# Altium PCB Notecarrier-XI_V4.PcbDoc (part 2 of 2)
Units mm, origin at the board's own origin, x right, y up, seen from the top; angles counter-clockwise.
Board outline 74.12 x 95.45 mm, 4 copper layers (Top Layer, GROUND, POWER, Bottom Layer), stack 1.556 mm thick; 103 components, 85 nets, 532 pads, 362 vias.
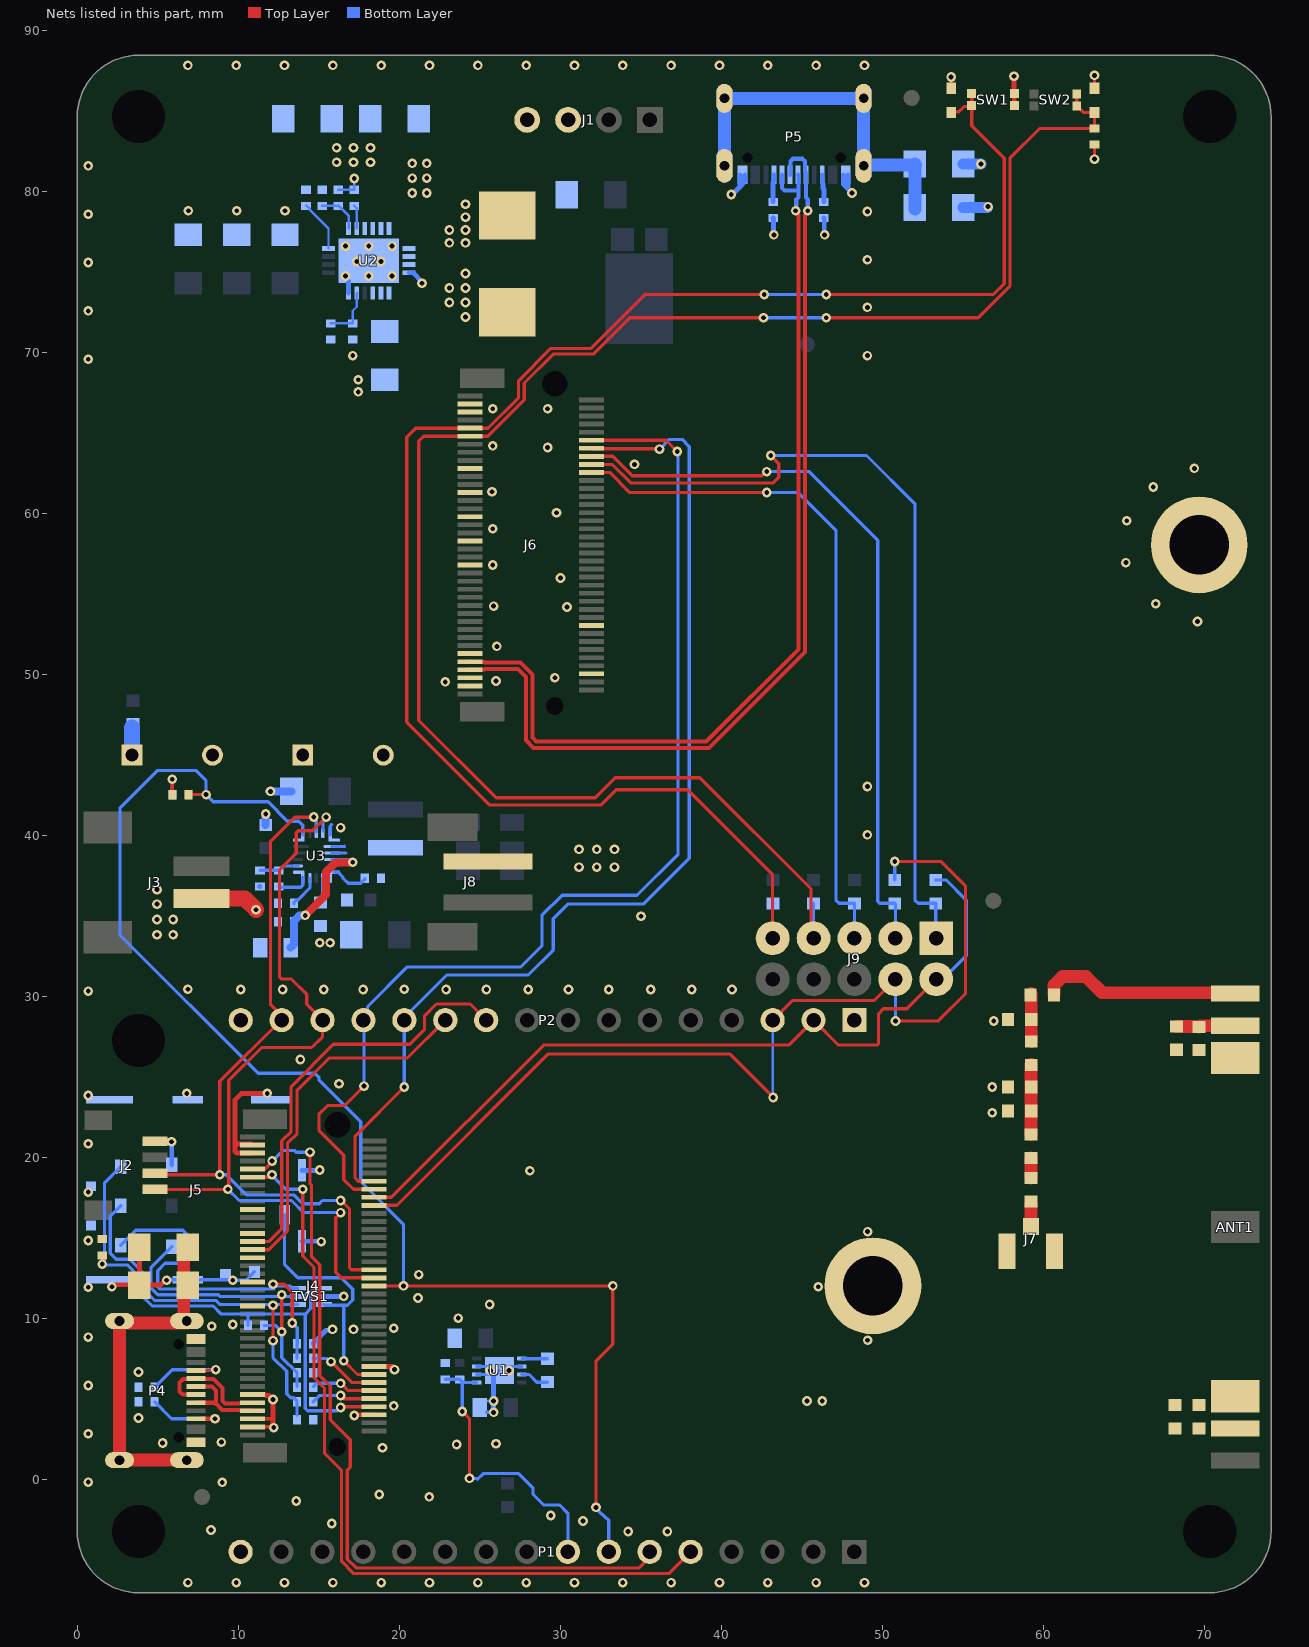
[diagram p4: the nets of this part, all layers, seen from the top]

## Via types
v1: diameter 0.6, hole 0.3, Top Layer to Bottom Layer, tented both sides, 352 vias
v2: diameter 0.6, hole 0.3, Top Layer to Bottom Layer, 10 vias

## Nets (pads, with @x,y where several pads share a name; then routed paths per layer and width w, separated by ;. In a path a pad name is that pad's centre, name@x,y a point inside that pad or via, vN(x,y) a via of type N, cw(c..) or ccw(c..) an arc to the next point about the centre after c; other vN are vias at no path point) (continued)
AUX_NCHARGING: J4.38 LD1.2 P1.7 U3.10 | length 86.9
  Top Layer w0.2: LD1.2@6.95,42.55 v1(8,42.55) ; J4.38@18.425,12.05 v1(20.25,12.05) v1@33.15,12.05 ; v1(32.2,-1.7) 32.2,7.367 33.25,8.417 v1(33.25,12.05)
  Bottom Layer w0.2: v1@8.05,42.45 8,42.5 8,43.4 7.35,44.05 5,44.05 2.65,41.7 2.65,33.834 11.234,25.25 14.75,25.25 15,25 15,24.85 17.6,22.25 17.6,18.529 20.25,15.879 v1(20.25,12.05) ; v1@8.075,42.475 8.45,42.1 11.85,42.1 13.05,40.9 13.75,40.9 14,40.65 U3.10@14,40.038 ; v1(32.2,-1.7) 32.2,-1.8 33,-2.5 P1.7@33,-4.46
AUX_RX: J4.58 J9.4 P2.3 R25.2 | length 63.8
  Top Layer w0.2: J4.58@18.425,17.05 19.85,17.05 29.25,26.45 40.5,26.45 v1(43.2,23.75) ; P2.3@43.17,28.55 44.383,29.763 49.463,29.763 J9.4@50.85,31.15 ; v1(50.75,38.4) 53.6,38.4 55.15,36.85 55.15,30.2 53.45,28.5 v1(50.8,28.5)
  Bottom Layer w0.15: P2.3@43.17,28.55 43.185,28.535 43.185,23.765 v1(43.2,23.75)
  Bottom Layer w0.2: R25.2@50.75,37.25 v1(50.75,38.4) ; v1(50.8,28.5) 50.795,28.505 50.795,31.085 J9.4@50.8,31.09
AUX_TX: J4.60 J9.2 P2.2 R24.2 | length 51.3
  Top Layer w0.2: J4.60@18.425,17.55 19.5,17.55 28.95,27 44.16,27 P2.2@45.71,28.55 47.26,27 49.633,27 49.75,27.117 49.75,28.95 50.05,29.25 51.49,29.25 J9.2@53.33,31.09
  Bottom Layer w0.2: J9.2@53.25,31.05 53.5,31.3 53.95,31.3 55.2,32.55 55.2,36 53.95,37.25 R24.2@53.3,37.25
BOOT: J4.65 P1.5 | length 50.2
  Top Layer w0.2: J4.65@10.875,18.8 11.936,18.8 v1(12.086,18.95) ; v1(14,18.05) 14,13.905 14.7,13.205 14.7,6.34 15.35,5.69 15.35,1.65 16.41,0.59 16.41,-5.055 17.165,-5.81 36.73,-5.81 P1.5@38.08,-4.46
  Bottom Layer w0.2: v1(12.086,18.95) 12.086,18.914 12.95,18.05 v1(14,18.05)
CHG_FB: R12.1 R14.2 U2.11 | length 2.6
  Bottom Layer w0.15: R14.2@15.2,79.1 R12.1@16.2,79.1 ; R12.1@16.25,79.1 16.85,78.5 U2.11@16.85,77.7
CHG_MAXV: R19.2 U2.10 | length 3.3
  Bottom Layer w0.15: R19.2@14.2,79.1 14.25,79.1 14.425,78.925 14.425,78.875 15.6,77.7 U2.10@15.6,76.45
CHG_MID: C14.2 C15.1 C21.1 C22.2 U2.13
  other v1: 16.1,81.811 17.151,81.811 18.202,81.811 16.1,82.711 17.151,82.711 18.202,82.711
CHG_PGOOD: R11.2 U2.12 | length 1.5
  Bottom Layer w0.15: R11.2@17.2,79.1 17.35,78.95 U2.12@17.35,77.7
CHG_RPROG: C23.2 R18.2 U2.5 | length 3.4
  Bottom Layer w0.15: C23.2@15.735,71.8 R18.2@17.1,71.8 17.1,72.588 17.35,72.837 17.35,73.65 U2.5@17.4,73.7
CHG_RSENS: C20.2 U2.2 U2.3
CHG_SW1: L2.2 U2.1 U2.19
  other v1: 24.1,72.2 23.1,73.1 24.1,73.1 23.1,74 24.1,74 24.1,74.9
CHG_SW2: L2.1 U2.17 U2.18
  other v1: 23.1,76.8 24.1,76.8 23.1,77.6 24.1,77.6 24.1,78.4 24.1,79.2
CTX: J4.49 P2.10 | length 26.4
  Top Layer w0.2: J4.49@10.875,14.8 11.9,14.8 12.7,15.6 12.7,21.05 13.275,21.625 13.275,24.425 15.9,27.05 20.65,27.05 21.55,27.95 21.55,28.8 22.3,29.55 24.39,29.55 P2.10@25.39,28.55
GND: C1.2 C2.1 C3.1 C4.1 C5.1 C6.1 C7.2 C8.1 C9.1 C11.1 C12.2 C13.2 C16.1 C17.2 C18.1 C19.1 C20.1 C21.2 C22.1 C23.1 C25.1 C27.1 C28.1 C29.1 C30.1 C31.2 D1.1 D5.1 J1.3 J1.4 J2.1 J3.2 J4.3 J4.5 J4.6 J4.11 J4.18 J4.33 J4.39 J4.45 J4.51 J4.57 J4.71 J4.73 J5.5 J5.8 J5.9 J5.10 J5.11 J5.12 J5.14 J5.15 J5.16 J5.17 J5.18 J5.19 J6.3 J6.5 J6.6 J6.11 J6.18 J6.33 J6.39 J6.45 J6.51 J6.57 J6.71 J6.73 J7.1 J7.3 J8.2 L4.1 L5.1 OBJ1.1 OBJ2.1 P1.16 P2.1 P2.16 P4.A1 P4.A12 P4.B1 P4.B12 P5.A1 P5.A12 P5.B1 P5.B12 R1.1 R2.2 R3.2 R14.1 R15.1 R16.2 R17.2 R18.1 R19.1 R30.1 R32.1 SW1.2 TVS1.2 U1.2 U1.6 U1.7 U1.9 U2.6 U2.20 U2.21 U3.14 U3.15 | length 66.1
  Top Layer w0.2: J4.3@10.875,3.3 v1@12.15,3.3 ; J4.5@10.875,3.8 12.15,3.8 ; P2.1@47.7,28 P2.1@48.25,28.55 P2.1@47.7,29.1 ; D1.1@54.25,86.4 v1(54.25,87.1) ; v1(63.15,82) C31.2@63.15,82.9 ; D5.1@63.15,86.4 v1(63.15,87.2)
  Top Layer w0.3: v1(2.15,12) 2.275,12.125 R3.2@3.865,12.125 ; C1.2@3.865,14.45 R3.2@3.865,12.125 ; v1(5.55,12.4) 5.45,12.4 5.15,12.1 3.89,12.1 R3.2@3.865,12.125 ; J4.71@10.875,20.3 9.9,20.3 9.8,20.4 9.8,21.7 ; J4.73@10.875,20.8 10.825,20.85 9.976,20.85 9.8,21.026 9.8,21.7 ; J4.11@10.925,5.3 11.672,5.3 11.722,5.25 11.9,5.25 v1(12.15,5) 12.15,3.8 12.15,3.3 v1(12.2,3.25) ; v1(11.8,24) 10.2,24 9.8,23.6 9.8,21.7 ; v1(17.2,4) 17.25,4.05 J4.6@18.425,4.05 ; J4.18@18.425,7.05 v1@19.6,7.05 ; v1(58.15,87.15) 58.162,87.138 58.162,86.088 SW1.2@58.175,86.075 SW1.2@58.175,85.325
  Top Layer w1: J3.2@7.45,36.1 10.4,36.1 v1(11.1,35.4)
  Bottom Layer w0.2: v1(5.55,12.4) 5.575,12.425 J5.9@6.85,12.425 9.625,12.425 v1(9.65,12.4) 10.475,12.4 J5.11@11,12.925 ; U3.14@15.7,40.038 15.7,40.6 15.8,40.7 ; U3.15@15.801,39.325 16.575,39.325 16.6,39.35 ; U1.6@24.8,6.55 U1.9@25.95,6.55 ; U1.7@24.8,7.05 U1.9@25.65,7.05 ; C8.1@25.4,4.2 v1(25.85,4.2) ; 25.5,4.9 v1(25.85,4.9) ; U1.9@26,6.6 U1.9@26.2,6.8 ; U1.9@26.45,7.05 U1.2@27.6,7.05
  Bottom Layer w0.3: v1(5.85,21) 5.87,20.98 J5.5@5.87,19.56 ; R32.1@11.3,36.85 R32.1@11.35,36.85 ; J5.12@13.95,14.82 15.13,14.82 v1(15.15,14.8) ; J5.14@13.95,19.22 15.07,19.22 v1@15.1,19.25 ; C4.1@14.65,8.45 14.65,8.5 15.443,9.293 15.793,9.293 v1@15.9,9.4 ; TVS1.2@15.305,11.4 v1(16.55,11.4) ; U2.6@16.85,73.7 U2.21@16.85,74.45 ; U2.20@20.6,74.95 20.85,74.95 21.4,74.4 v1(21.4,74.3) ; v1(25.85,4.2) v1(25.85,4.9) U1.9@25.85,6.6 ; v1(40.6,79.8) 40.648,79.8 41.15,80.302 ; P5.A1@41.15,81.027 41.15,80.302 ; P5.B12@41.45,81.027 41.45,80.602 41.15,80.302 ; R15.1@43.2,78.35 43.225,78.325 43.225,77.325 v1@43.3,77.25 ; R16.2@46.35,78.35 46.375,78.325 46.375,77.225 v1@46.4,77.2 ; P5.B1@47.55,81.027 47.55,80.45 47.85,80.15 ; P5.A12@47.85,81.027 47.85,80.15 ; v1(48.1,79.9) 47.85,80.15
  Bottom Layer w0.5: C27.1@11.7,40.675 11.696,40.679 11.696,41.346 v1(11.7,41.35) ; v1@11.95,42.75 C13.2@13.3,42.75
  Bottom Layer w0.7: R17.2@55,79 v1@56.5,79 ; C17.2@55,81.7 v1(56.1,81.7)
  other v1: 6.87,-6.37 9.87,-6.37 12.87,-6.37 15.87,-6.37 18.87,-6.37 21.87,-6.37 24.87,-6.37 27.87,-6.37 30.87,-6.37 33.87,-6.37 36.87,-6.37 39.87,-6.37 42.87,-6.37 45.87,-6.37 48.87,-6.37 34.2,-3.2 36.633,-3.2 8.3,-3.1 15.8,-2.7 31.4,-2.55 29.4,-2.2 13.6,-1.3 21.85,-1.05 18.75,-0.9 9,-0.15 0.68,-0.13 18.95,2 23.55,2.2 26,2.25 5.3,2.3 8.95,2.35 0.68,2.87 3.8,3.85 19.65,4.6 45.3,4.9 46.25,4.9 0.68,5.87 3.8,6.7 19.7,6.85 49.07,8.68 0.68,8.87 15.85,9.35 17.15,9.35 19.65,9.422 8.35,9.55 9.65,9.65 23.65,10.05 25.6,10.9 21.15,11.3 0.68,11.97 46,12 21.2,12.75 0.68,14.87 49.07,15.42 0.68,17.87 28.1,19.2 15.05,19.25 0.68,20.87 56.8,22.8 0.68,23.87 6.8,24 56.8,24.4 16.25,24.6 13.85,26.1 56.9,28.5 0.68,30.35 6.87,30.47 10.15,30.45 12.75,30.45 15.3,30.45 17.75,30.45 20.298,30.464 22.9,30.45 25.4,30.45 28,30.45 30.5,30.45 33,30.45 35.6,30.45 38.15,30.45 40.65,30.45 15.05,33.35 15.7,33.35 4.95,33.85 5.95,33.85 4.95,34.8 5.95,34.8 35,35 4.95,35.75 4.95,36.65 31.15,38.05 32.25,38.05 33.35,38.05 31.15,39.15 32.25,39.15 33.35,39.15 49.05,40.05 16.35,40.5 12,42.75 49.05,43.05 22.85,49.55 26,49.6 29.65,49.8 26.05,51.75 69.55,53.3 30.4,54.2 25.85,54.25 66.95,54.4 30,56 25.8,56.8 65.1,56.95 25.8,59.05 65.15,59.55 29.75,60.05 25.75,61.35 66.8,61.65 69.35,62.8 34.6,63.05 29.2,64.1 25.8,64.2 25.8,66.5 29.2,66.5 17.45,67.55 17.45,68.3 0.68,69.58 17.1,69.8 49.05,69.8 0.68,72.58 49.05,72.8 0.68,75.58 49.05,75.75 43.25,77.3 46.4,77.3 0.68,78.58 49.05,78.75 6.9,78.8 9.9,78.8 12.9,78.8 56.55,79.05 0.68,81.58 6.87,87.82 9.87,87.82 12.87,87.82 15.87,87.82 18.87,87.82 21.87,87.82 24.87,87.82 27.87,87.82 30.87,87.82 33.87,87.82 36.87,87.82 39.87,87.82 42.87,87.82 45.87,87.82 48.87,87.82
  other v2: 25.65,6.8 26.8,6.8 16.65,74.75 18.1,74.75 19.55,74.75 17.35,75.65 18.85,75.65 16.65,76.6 18.1,76.6 19.55,76.6
LTE_50: J7.2 R20.1 | length 1.5
  Top Layer w0.8: J7.2@59.2,15.725 R20.1@59.2,17.2
LTE_50_A: R20.2 R21.1 | length 1.3
  Top Layer w0.8: R20.2@59.2,18.75 R21.1@59.2,20
LTE_50_B: C24.2 C25.2 L4.2 R21.2 | length 4.3
  Top Layer w0.8: R21.2@59.2,21.45 C24.2@59.2,25.8
LTE_50_C: C24.1 L3.2 L5.2 | length 3
  Top Layer w0.8: L3.2@59.2,30.2 59.227,30.173 C24.1@59.227,27.225
LTE_50_D: ANT1.1 L3.1 | length 13.5
  Top Layer w0.8: L3.1@60.642,30.1 60.642,30.72 61.172,31.25 62.628,31.25 63.628,30.25 72.85,30.25 ANT1.1@72.9,30.2
NC_RX: J4.62 J6.64 P2.13 | length 70.5
  Top Layer w0.2: v1(17.8,24.45) 16.6,23.25 15.55,23.25 15,22.7 15,21.7 16.55,20.15 16.55,18.65 17.15,18.05 J4.62@18.425,18.05 ; J6.64@31.925,64.55 36.55,64.55 v1(37.25,63.85)
  Bottom Layer w0.2: P2.13@17.7,28.4 P2.13@17.7,28.52 ; v1(17.8,24.45) 17.8,28.52 P2.13@17.77,28.55 18.019,28.799 18.019,29.369 20.5,31.85 27.55,31.85 28.85,33.15 28.85,35.05 30.1,36.3 34.75,36.3 37.3,38.85 37.3,63.8 v1(37.25,63.85)
NC_TX: J4.64 J6.62 P2.12 | length 67.8
  Top Layer w0.2: J4.64@18.425,18.55 17.45,18.55 17.25,18.75 17.25,21.35 v1(20.3,24.4) ; J6.62@31.925,64.05 31.95,64.025 36.125,64.025 v1(36.15,64)
  Bottom Layer w0.2: P2.12@20,28.4 22.95,31.35 28,31.35 29.55,32.9 29.55,34.85 30.45,35.75 35.15,35.75 38,38.6 38,64.15 37.55,64.6 36.75,64.6 v1(36.15,64) ; v1(20.3,24.4) P2.12@20.3,28.54
NetANT1_2: ANT1.2 C26.1 L6.2 | length 3.7
  Top Layer w0.8: L6.2@68.25,28.159 68.259,28.15 C26.1@69.65,28.15 ; C26.1@69.65,28.134 69.716,28.2 ANT1.2@71.9,28.2
NetANT1_3: ANT1.3 C26.2 L6.1
NetANT1_5: ANT1.5 R22.1 R23.1
NetANT1_6: ANT1.6 R22.2 R23.2
NetC3_2: C3.2 J5.2 R5.2 TVS1.4 | length 24.4
  Top Layer w0.2: v1(12.15,8.65) v1(12.15,10.85)
  Bottom Layer w0.2: J5.2@2.7,17.02 2.05,16.37 2.05,14.076 2.426,13.7 3.249,13.7 4.222,12.726 4.222,11.722 4.795,11.15 8.595,11.15 8.845,10.9 v1@12.2,10.9 ; v1(12.15,8.65) 12.15,7.6 13,6.75 13,5.35 13.25,5.1 13.45,5.1 13.65,4.9 C3.2@13.65,4 ; v1(12.15,10.85) v1@12.2,10.9 ; TVS1.4@13.695,10.9 v1@12.2,10.9
NetC4_2: C4.2 J5.3 R6.2 TVS1.6 | length 23.8
  Top Layer w0.2: v1(12.15,12.15) 12.85,12.15 13.35,11.65 v1(13.35,9.75)
  Bottom Layer w0.2: J5.3@2.7,14.58 3.62,15.5 6.55,15.5 6.85,15.2 6.85,13.75 6.55,13.45 5.45,13.45 5,13 5,12 5.15,11.85 12.204,11.85 12.15,11.904 v1(12.15,12.15) ; v1@12.404,12.05 13.2,12.05 13.35,11.9 TVS1.6@13.695,11.9 ; v1(13.35,9.75) 13.654,9.446 13.654,8.45 13.65,8.446 R6.2@13.65,7.55
NetC5_2: C5.2 J5.7 R7.1 R8.2 TVS1.5 | length 19.9
  Top Layer w0.2: v1(12.7,9.2) v1(12.7,11.5)
  Bottom Layer w0.2: J5.7@5.87,14.48 4.572,13.182 4.572,11.933 5.005,11.5 8.75,11.5 8.85,11.4 12.6,11.4 v1(12.7,11.5) 12.8,11.4 TVS1.5@13.695,11.4 ; R7.1@11.6,9.6 12.3,9.6 v1(12.7,9.2) 12.7,7.596 13.646,6.65 C5.2@13.65,6.65 R8.2@13.65,5.8
NetC10_1: C10.1 U3.1 | length 2.4
  Bottom Layer w0.2: U3.1@15.95,37.725 16.2,37.725 16.492,37.433 16.492,37.374 16.815,37.052 17.602,37.052 17.85,37.3 C10.1@17.85,37.35
NetC14_1: C14.1 C15.2 R10.1 R11.1 R12.2 U2.14 U2.15 U2.16 | length 3.4
  Bottom Layer w0.15: R12.2@16.2,80.1 R11.1@17.2,80.1 v1(17.2,80.8)
  Bottom Layer w1: C14.1@3.4,45 R10.1@3.4,46.7
  other v1: 20.8,79.9 21.7,79.9 20.8,80.819 21.7,80.819 20.8,81.738 21.7,81.738
NetC28_2: C28.2 C29.2 U3.17 | length 9.1
  Top Layer w0.5: v1(14.15,35.05) 15.45,36.35 15.45,37.75 16.031,38.331 17.081,38.331 v1(17.1,38.35)
  Bottom Layer w0.2: U3.17@15.801,38.525 16.875,38.525 17.05,38.35 v1(17.1,38.35)
  Bottom Layer w0.5: C28.2@13.25,33.05 13.45,33.25 13.45,34.7 13.781,35.031 14.131,35.031 v1(14.15,35.05)
NetC30_2: C30.2 U3.2 | length 1.6
  Bottom Layer w0.2: C30.2@15.1,35.85 15.243,35.993 U3.2@15.243,37.362
NetL1_1: L1.1 U1.1 | length 1.6
  Bottom Layer w0.2: U1.1@27.625,7.525 L1.1@29.2,7.525
NetL1_2: L1.2 U1.3 | length 1.8
  Bottom Layer w0.2: U1.3@27.6,6.55 28.05,6.55 28.525,6.075 L1.2@29.2,6.075
NetLD1_1: LD1.1 R29.1 | length 1.9
  Top Layer w0.2: LD1.1@5.9,42.55 v1(5.9,43.5)
  Bottom Layer w0.2: R29.1@5.9,42.55 v1(5.9,43.5)
NetP4_A5: P4.A5 R1.2 | length 5.2
  Top Layer w0.2: P4.A5@7.673,6.8 8.55,6.8 v1(8.6,6.85)
  Bottom Layer w0.2: R1.2@4.8,5.75 5.9,6.85 v1(8.6,6.85)
NetP4_B5: P4.B5 R2.1 | length 5.1
  Top Layer w0.3: P4.B5@7.672,3.8 v1(8.55,3.8)
  Bottom Layer w0.2: R2.1@4.8,4.85 5.85,3.8 v1(8.55,3.8)
NetP5_A5: P5.A5 R15.2 | length 1.7
  Bottom Layer w0.3: R15.2@43.2,79.35 43.2,80.552 43.25,80.602 P5.A5@43.25,81.027
NetP5_B5: P5.B5 R16.1 | length 1.7
  Bottom Layer w0.3: P5.B5@46.25,81.027 46.25,80.515 46.3,80.465 46.3,80.164 46.35,80.114 R16.1@46.35,79.35
NetR30_2: R30.2 U3.4 | length 2.1
  Bottom Layer w0.2: R30.2@13.45,35.75 13.45,35.85 13.6,36 13.694,36 14.443,36.749 U3.4@14.443,37.362
NetR31_1: R31.1 U3.5 | length 2.1
  Bottom Layer w0.2: R31.1@12.5,36.85 12.55,36.8 13.883,36.8 14,36.917 U3.5@14,37.437
NetR31_2: R31.2 R32.2 U3.6 | length 2.5
  Bottom Layer w0.2: R32.2@11.35,37.85 12.55,37.85 12.825,38.125 U3.6@13.7,38.125
NRST: J4.67 P1.6 | length 49.8
  Top Layer w0.2: J4.67@10.875,19.3 11.654,19.3 12.15,19.796 v1@12.15,19.8 ; v1(14.453,20.353) 14.453,18.375 14.55,18.278 14.55,13.85 15.05,13.35 15.05,6.485 15.7,5.835 15.7,3.75 16.95,2.5 16.95,0.8 16.76,0.61 16.76,-4.91 17.31,-5.46 34.89,-5.46 P1.6@35.54,-4.81
  Bottom Layer w0.2: v1(12.1,19.8) 12.75,20.45 13.499,20.45 13.596,20.353 v1(14.453,20.353)
RTX: J4.47 P2.11 | length 22.6
  Top Layer w0.2: J4.47@10.875,14.3 11.895,14.3 13.05,15.455 13.05,20.905 13.65,21.505 13.65,24.2 15.65,26.2 20.5,26.2 P2.11@22.85,28.55
S_AUX_EN: J6.56 J9.5 R26.1 | length 43.2
  Top Layer w0.2: J6.56@31.925,62.55 33.05,62.55 34.3,61.3 v1(42.8,61.3)
  Bottom Layer w0.2: v1(42.8,61.3) 44.75,61.3 47.1,58.95 47.1,36 47.3,35.8 R26.1@48.25,35.8 48.25,33.55 J9.5@48.3,33.5
S_AUX_RX: J6.58 J9.1 R24.1 | length 52.3
  Top Layer w0.2: J6.58@31.925,63.05 33.2,63.05 34.35,61.9 43.2,61.9 43.55,62.25 43.55,63.1 v1(43.05,63.6)
  Bottom Layer w0.2: v1(43.05,63.6) 49,63.6 52,60.6 52,36 52.2,35.8 R24.1@53.3,35.8 53.3,33.6 J9.1@53.4,33.5
S_AUX_TX: J6.60 J9.3 R25.1 | length 46
  Top Layer w0.2: J6.60@31.925,63.55 33.245,63.55 34.445,62.35 42.483,62.35 42.733,62.6 v1(42.8,62.6)
  Bottom Layer w0.2: v1(42.8,62.6) 45.45,62.6 49.7,58.35 49.7,35.917 49.817,35.8 R25.1@50.75,35.8 50.79,35.76 J9.3@50.79,33.63 50.79,33.46 J9.3@50.8,33.45
S_BOOT: C31.1 D5.2 J6.65 J9.7 R27.1 SW2.1 | length 110.9
  Top Layer w0.2: v1(42.6,72.15) 34.295,72.15 32.045,69.9 29.545,69.9 27.75,68.105 27.75,67.055 25.495,64.8 J6.65@24.375,64.8 21.5,64.8 21.2,64.5 21.2,47.15 26,42.35 32.15,42.35 33.4,43.6 38.65,43.6 45.55,36.7 J9.7@45.55,33.4 ; v1(46.5,72.15) 55.928,72.15 57.9,74.122 57.9,82.05 59.75,83.9 C31.1@63.15,83.9 D5.2@63.15,84.9 62.45,84.9 SW2.1@62.05,85.3 SW2.1@62.05,86.05
  Bottom Layer w0.2: v1(42.6,72.15) v1(46.5,72.15) ; R27.1@45.7,35.8 45.71,35.79 45.71,33.54 J9.7@45.75,33.5
S_NRST: D1.2 J6.67 J9.9 R28.1 SW1.1 | length 106.9
  Top Layer w0.2: v1(42.65,73.6) 35.25,73.6 31.9,70.25 29.4,70.25 27.4,68.25 27.4,67.2 25.5,65.3 J6.67@24.375,65.3 21.017,65.3 20.45,64.733 20.45,47.05 25.6,41.9 32.5,41.9 33.45,42.85 37.9,42.85 43.17,37.58 J9.9@43.17,33.73 ; v1(46.5,73.6) 56.883,73.6 57.55,74.267 57.55,82.05 55.525,84.075 SW1.1@55.525,85.325 SW1.1@55.525,86.075 ; D1.2@54.283,84.933 54.733,84.933 55.067,85.267 SW1.1@55.467,85.267
  Bottom Layer w0.2: v1(42.65,73.6) v1(46.5,73.6) ; J9.9@43.17,33.48 43.17,35.77 R28.1@43.2,35.8
SCL: J2.4 J4.40 P2.14 U3.13 | length 49.9
  Top Layer w0.2: J2.4@4.837,18.04 9.34,18.04 v1(9.35,18.05) 9.4,18.1 9.4,24.805 11.445,26.85 14.55,26.85 15.23,27.53 P2.14@15.23,28.55 14.25,29.53 14.25,30.15 13.3,31.1 12.7,31.1 12.55,31.25 12.55,37.85 13.6,38.9 13.6,40.183 13.717,40.3 14.6,40.3 v1(15.45,41.15) ; v1(16.353,16.6) 16.353,16.586 16.05,16.283 16.05,12.9 16.4,12.55 J4.40@18.425,12.55
  Bottom Layer w0.2: v1(9.35,18.05) 10.05,17.35 13.3,17.35 14.05,16.6 v1(16.353,16.6) ; U3.13@15.25,40.3 15.25,40.842 15.45,41.042 v1(15.45,41.15)
SDA: J2.3 J4.42 P2.15 U3.12 | length 45.3
  Top Layer w0.2: J2.3@4.837,19.04 4.927,18.95 v1(8.85,18.95) 8.85,24.75 12.65,28.55 P2.15@12.69,28.55 ; P2.15@12.7,28.55 12.7,28.8 12,29.5 12,39.65 13.5,41.15 14.672,41.15 v1(14.686,41.164) ; v1(16.353,17.35) 16.381,17.35 16.903,16.828 16.903,13.167 17.02,13.05 J4.42@18.425,13.05
  Bottom Layer w0.2: v1(8.85,18.95) 9.25,18.95 10.5,17.7 13.445,17.7 13.995,17.15 15.02,17.15 15.22,17.35 v1(16.353,17.35) ; v1(14.686,41.164) 14.686,41.056 14.843,40.899 U3.12@14.843,40.25
SIM_CLK: J4.14 R6.1 | length 4.4
  Top Layer w0.2: v1(15.75,7.35) 15.778,7.35 17.078,6.05 J4.14@18.425,6.05
  Bottom Layer w0.2: R6.1@14.65,7.55 15.45,7.55 15.7,7.3 v1(15.75,7.35)
SIM_IO: J4.12 R8.1 | length 4
  Top Layer w0.2: v1(16.35,6) 16.378,6 16.828,5.55 J4.12@18.425,5.55
  Bottom Layer w0.2: R8.1@14.65,5.8 14.85,6 v1(16.35,6)
SIM_NPRESENT: J4.16 J5.13 TVS1.3 | length 16.3
  Top Layer w0.2: v1(16.55,7.4) 17.4,6.55 J4.16@18.425,6.55
  Bottom Layer w0.2: J5.13@12.875,16.47 12.875,13.375 13.7,12.55 16.4,12.55 17.1,11.85 17.1,11.172 16.778,10.85 15.355,10.85 TVS1.3@15.305,10.9 ; v1(16.55,7.4) 16.55,10.85
SIM_RST: J4.10 R5.1 | length 4
  Top Layer w0.2: v1(16.35,5.25) 16.55,5.05 J4.10@18.425,5.05
  Bottom Layer w0.2: R5.1@14.65,4.85 14.654,4.85 15.054,5.25 v1(16.35,5.25)
SIM_VCC: C2.2 J4.8 J5.1 R7.2 TVS1.1 | length 34.3
  Top Layer w0.2: v1(1.55,13.4) C2.2@1.55,13.95 ; v1(16.35,4.5) 16.4,4.55 J4.8@18.425,4.55
  Bottom Layer w0.2: J5.1@2.7,19.46 1.7,18.46 1.7,13.35 3.104,13.35 3.85,12.604 3.85,11.6 4.65,10.8 8.45,10.8 8.95,10.3 10.65,10.3 ; R7.2@10.6,9.6 10.6,10.25 10.65,10.3 ; 14.805,11.9 14.75,11.9 14.5,11.65 14.5,10.65 14.15,10.3 ; v1(16.35,4.5) 16.15,4.3 14.296,4.3 14.15,4.446 14.15,10.3 ; 10.65,10.3 14.15,10.3
SW: C10.2 L7.1 U3.16 | length 0.9
  Bottom Layer w0.2: U3.16@15.801,38.925 16.668,38.925
USB_D_N: J4.9 P4.A7 P4.B7 | length 7.4
  Top Layer w0.259: P4.A7@7.373,5.3 6.55,5.3 6.35,5.5 6.35,6.05 6.579,6.279 P4.B7@7.396,6.279 ; P4.B7@7.373,6.3 7.393,6.279 8.461,6.279 9.021,5.719 9.021,4.906 9.172,4.754 10.087,4.754 10.112,4.779 10.854,4.779 J4.9@10.875,4.8
USB_D_P: J4.7 P4.A6 P4.B6 | length 5.8
  Top Layer w0.259: P4.B6@7.373,4.8 8.55,4.8 ; P4.A6@7.373,5.8 8.362,5.8 8.612,5.55 8.612,4.737 9.003,4.346 10.087,4.346 10.112,4.321 10.854,4.321 J4.7@10.875,4.3
USB_S_D_N: J6.9 P5.A7 P5.B7 | length 58.6
  Top Layer w0.259: J6.9@24.375,50.8 24.396,50.779 25.286,50.779 25.311,50.754 27.519,50.754 28.259,50.015 28.259,46.091 28.5,45.85 39.05,45.85 44.771,51.571 44.771,78.537 44.6,78.708 v1(44.6,78.8)
  Bottom Layer w0.259: P5.B7@43.75,81.027 43.75,80.202 43.902,80.05 44.75,80.05 ; v1(44.6,78.8) 44.637,78.837 44.637,79.488 44.767,79.618 44.767,80.05 44.767,81.011 P5.A7@44.75,81.027
USB_S_D_P: J6.7 P5.A6 P5.B6 | length 60
  Top Layer w0.259: J6.7@24.375,50.3 24.396,50.321 25.286,50.321 25.311,50.346 27.35,50.346 27.85,49.846 27.85,45.922 28.331,45.441 39.219,45.441 45.179,51.401 45.179,78.537 45.35,78.708 v1(45.35,78.8)
  Bottom Layer w0.259: P5.A6@44.25,81.027 44.271,81.048 44.271,81.869 44.422,82.021 45.028,82.021 45.179,81.869 45.179,81.214 P5.B6@45.229,81.164 ; P5.B6@45.25,81.027 45.233,81.011 45.233,80.05 45.233,79.618 45.35,79.501 v1(45.35,78.8)
USB_SHIELD: C1.1 P4.M R3.1 | length 21.3
  Top Layer w0.8: P4.M@2.628,9.87 P4.M@2.628,1.23 P4.M@6.808,1.23 ; P4.M@2.738,9.75 P4.M@6.85,9.75 ; P4.M@6.615,10.065 C1.1@6.615,14.45
USB_SHIELD_2: C17.1 P5.M R17.1 | length 23.5
  Bottom Layer w0.8: P5.M@40.2,81.1 40.18,81.12 P5.M@40.18,85.772 48.772,85.772 P5.M@48.8,85.8 ; P5.M@48.82,85.772 P5.M@48.82,81.592 48.874,81.646 C17.1@52.046,81.646 ; R17.1@52,78.9 C17.1@52,81.7
VIO_EN: C7.1 P1.8 R9.2 U1.5 | length 18.2
  Top Layer w0.2: v1(23.9,4.25) 24.075,4.075 24.35,3.8 v1(24.35,0.1)
  Bottom Layer w0.2: C7.1@22.85,6.25 R9.2@23.75,6.25 R9.2@23.9,6.1 ; v1(23.9,4.25) R9.2@23.9,6.1 ; v1(24.35,0.1) 24.8,0.1 24.85,0.05 25.2,0.4 27.4,0.4 28.3,-0.5 28.3,-0.9 28.95,-1.55 29.95,-1.55 30.46,-2.06 P1.8@30.46,-4.46 P1.8@30.45,-4.45 ; U1.5@24.8,6.05 23.95,6.05 R9.2@23.9,6.1
pads on no net: ANT1.4 ANT1.7 FD1.1 FD2.1 FD3.1 FD4.1 FD5.1 FD6.1 J2.M J3.M J4. J4.1 J4.15 J4.17 J4.19 J4.21 J4.23 J4.24 J4.25 J4.26 J4.27 J4.28 J4.29 J4.30 J4.31 J4.35 J4.37 J4.44 J4.53 J4.55 J4.59 J4.61 J4.63 J4.66 J4.68 J4.69 J4.75 J4.AH J5.6 J6. J6.1 J6.8 J6.10 J6.12 J6.14 J6.15 J6.16 J6.17 J6.19 J6.20 J6.21 J6.22 J6.23 J6.24 J6.25 J6.26 J6.27 J6.28 J6.29 J6.30 J6.31 J6.32 J6.34 J6.35 J6.36 J6.37 J6.38 J6.40 J6.41 J6.42 J6.43 J6.44 J6.46 J6.47 J6.48 J6.49 J6.50 J6.52 J6.53 J6.54 J6.55 J6.59 J6.61 J6.63 J6.66 J6.68 J6.69 J6.75 J6.AH J8.M P4.0 P4.A8 P4.B8 P5.0 P5.A8 P5.B8 U2.8 U3.3 U3.7 U3.11

## Polygon pours and split planes (outlines as drawn)
+VSOLAR on Bottom Layer "+VSOLAR_L04_P143" (solid, pour order 143): 30.55,35.05 35.25,35.05 38.65,38.45 38.65,45.8 38.7,45.85 38.7,75.95 38.35,76.3 32.905,76.3 32.894,76.289 32.7,76.482 32.7,81.2 31.7,82.2 31.7,86.9 32.05,87.25 38,87.25 38,81.65 42.15,77.5 42.15,37.8 36.65,32.3 30.3,32.3 30.3,34.8
GND on Bottom Layer "GND_L04_P137" (solid, pour order 137): 28.489,79.511 28.489,78.211 28.5,78.2 31.1,78.2 31.4,78.5 31.4,88.1 31.3,88.2 24.3,88.2 24.25,88.15 24.25,83.75
GND on Bottom Layer "GND_L04_P146" (solid, pour order 146): 10.25,37.1 10.3,37.05 10.3,32.45 10.7,32.05 11.7,32.05 11.8,32.15 11.8,33.65 12.3,33.65 12.7,34.05 12.7,36.35 12.25,36.35 12,36.6 12,37.1
GND on Bottom Layer "GND_L04_P145" (solid, pour order 145): 14.4,34.75 14.4,32.75 14.75,32.4 17.65,32.4 17.65,35.1 17.15,35.6 17.15,36.45 15.85,36.45 15.85,35.3 15.3,34.75
SW on Bottom Layer "SW_L04_P121" (solid, pour order 121): 16.9,39.15 15.3,39.15 15.3,38.85 15.45,38.7 17.05,38.7 17.75,38 18.35,38 18.6,37.75 18.6,37.15 18.7,37.05 21.1,37.05 22.2,38.15 22.2,39.75 17.15,39.75 16.9,39.5
+VMAIN on Bottom Layer "+VMAIN_L04_P123" (solid, pour order 123): 15.6,41.9 16.1,41.4 17.35,41.4 17.9,40.85 21.6,40.85 22.2,41.45 22.2,43.1 18.55,43.1 17.35,44.3 15.6,44.3
GND on Bottom Layer "GND_L04_P117" (solid, pour order 117): 15.5,39.2 16.75,39.2 16.75,40.7 16.45,41 15.7,41 15.5,40.8
GND on Bottom Layer "GND_L04_P122" (solid, pour order 122): 17.45,44.55 18.5,43.5 22.5,43.5 22.5,45.15 21.05,46.6 17.45,46.6
+VBUS on Bottom Layer "+VBUS_L04_P138" (solid, pour order 138): 18.3,34.95 19.1,34.95 19.3,34.75 19.3,33.95 19.3,32.55 19.45,32.4 28.45,32.4 28.45,39.7 22.8,39.7 22.8,38.4 21.3,36.9 17.95,36.9 17.85,36.8 17.85,35.4 18.05,35.2
+VBAT on Bottom Layer "+VBAT_L04_P120" (solid, pour order 120): 11.15,40.25 11.15,39.65 11.2,39.6 12.15,39.6 12.25,39.5 12.25,38.4 7.45,38.4 6.4,39.45 6.4,40.55 6.7,40.85 10.55,40.85
+VMODEM on Bottom Layer "+VMODEM_L04_P144" (solid, pour order 144): 1.35,47.95 35.25,47.95 36.05,48.75 36.05,66.8 36.05,68.7 35.75,69 23.6,69 20.35,65.75 2.65,65.75 1.35,64.45
+VUSB_S on Bottom Layer "+VUSB_S_L04_P126" (solid, pour order 126): 22.8,40.3 25.5,40.3 25.5,42.3 25.95,42.75 30.05,42.75 30.5,43.2 30.5,44.4 30.2,44.7 23.8,44.7 22.8,43.7
GND on Bottom Layer "GND_L04_P141" (solid, pour order 141): -0.075,81.5 -0.1,81.525 -0.1,83.9 0.4,83.9 2.85,81.45 2.85,81.5 5.35,81.5 6.95,83.1 6.95,85.7 5.3,87.3 5.3,88.15 5.35,88.2 5.4,88.15 13.5,88.15 13.5,81.1 13.8,80.8 15.6,80.8 15.6,79.9 15.5,79.8 13.65,79.8 13.65,79.1 14.4,78.35 14.4,76.6 -0.075,76.6
+VMAIN on Bottom Layer "+VMAIN_L04_P135" (solid, pour order 135): 14,75.1 14,76.1 16,76.1 16,73.6 12.6,70.2 5.1,70.2 5.1,75.1
NetC14_1 on Bottom Layer "NETC14_1_L04_P132" (solid, pour order 132): 18.2,77.5 20.75,77.5 23.2,79.95 23.2,87.2 20.1,87.2 20.1,80.8 18.2,78.9
CHG_MID on Bottom Layer "CHG_MID_L04_P130" (solid, pour order 130): 15,87.2 15,81 17.2,81 17.7,80.5 17.7,77.35 18,77.35 18,79 19.1,80.1 19.1,87.2
GND on Bottom Layer "GND_L04_P125" (solid, pour order 125): 14.5,71 14.5,67.8 15.5,66.8 20.2,66.8 20.5,67.1 20.5,69.1 17.95,69.1 17.8,69.25 17.8,71
CHG_RSENS on Bottom Layer "CHG_RSENS_L04_P118" (solid, pour order 118): 19.45,72.75 20.25,72.75 20.4,72.6 20.4,70.5 18.2,70.5 18.2,74.1 19,74.1 19,73.2
+VIO on Bottom Layer "+VIO_L04_P139" (solid, pour order 139): 32.55,2.8 34.65,4.9 38.1,4.9 38.8,4.2 38.8,-6.45 41.7,-6.45 41.7,4.5 38.55,7.65 32.6,7.65 30,5.05 26.45,5.05 26.45,3.6 21.2,3.6 20.65,4.15 19.35,4.15 18.9,3.7 18.9,3.1 18.1,2.3 14.9,2.3 14.25,2.95 13.35,2.95 13.35,2.2 14.5,1.05 21.35,1.05 22.75,2.5 26.15,2.5 26.45,2.8
+VMAIN on Bottom Layer "+VMAIN_L04_P140" (solid, pour order 140): 26,14.25 26,10 25.2,10 24.9,9.7 24.9,8.3 25,8.2 38.55,8.2 41.85,4.9 41.85,-6.5 44.5,-6.5 44.5,7 39.8,11.7 29.9,11.7 29.9,13.35 28.75,14.5 26.25,14.5
GND on Bottom Layer "GND_L04_P133" (solid, pour order 133): 16.9,6.15 16.9,4.45 16.5,4.05 14.45,4.05 14.45,3 14.65,2.8 18,2.8 19.4,4.2 21.85,4.2 22.3,4.65 22.3,6.7 22.35,6.7 22.6,6.95 23.15,6.95 23.15,7.65 23.95,8.45 23.95,9.15 23.9,9.2 24.1,9.4 24.4,9.4 24.75,9.75 24.75,10.25 24.35,10.65 23.25,10.65 19.7,7.1 19,7.1 18.981,7.118 18.962,7.1 14.45,7.1 14.45,6.35 14.65,6.15
+VBUS on Bottom Layer "+VBUS_L04_P136" (solid, pour order 136): 29.24,74.99 29,74.751 29,70.7 30.2,69.5 38,69.5 38,75.6 29.8,75.6 29.2,75
+VUSB on Bottom Layer "+VUSB_L04_P134" (solid, pour order 134): 38.1,3.65 38.1,0.5 37.7,0.1 37.65,0.15 28.95,0.15 28.1,1 23.75,1 22.5,-0.25 13.2,-0.25 12.6,0.35 12.65,0.4 12.65,1.55 13.65,1.55 14.4,0.8 21.6,0.8 22.75,1.95 33.05,1.95 34.75,3.65
+VUSB on Bottom Layer "+VUSB_L04_P124" (solid, pour order 124): 44.85,3.95 44.85,-6.5 46.65,-6.5 46.65,3.95
+VBAT on Bottom Layer "+VBAT_L04_P142" (solid, pour order 142): 46.9,-6.55 50.05,-6.55 50.05,6.5 39.7,16.85 21.65,16.85 21.05,16.25 21.068,16.256 21,16.187 21,12.9 21.75,12.15 25.1,12.15 25.45,12.5 25.45,14.75 28.8,14.75 31.05,12.5 39.85,12.5 46.9,5.45
+VUSB on Bottom Layer "+VUSB_L04_P131" (solid, pour order 131): 26.2,42.45 30.35,42.45 31.4,43.5 35.85,43.5 36.65,42.7 36.65,40.4 36.4,40.15 26.25,40.15 25.85,40.55 25.85,42.1
GND on Bottom Layer "GND_L04_P128" (solid, pour order 128): 0.2,9.25 0.25,9.2 0.25,1.4 1.25,1.4 1.95,2.1 3.45,2.1 4.1,2.75 4.1,7.85 2.95,9 1.6,9 1.35,9.25
CHG_SW1 on Bottom Layer "CHG_SW1_L04_P129" (solid, pour order 129): 19.224,74.07 19.2,74.046 19.2,73.3 19.5,73 22.15,73 23.894,71.256 27.408,71.256 27.408,75.6 20.2,75.6 20.2,74.2 20.1,74.1 19.2,74.1 19.2,74
CHG_SW2 on Bottom Layer "CHG_SW2_L04_P127" (solid, pour order 127): 20.2,77.1 20.2,75.8 27.4,75.8 27.4,80 23.6,80 20.7,77.1 20.6,77.1
+VIO on POWER "+VIO_L03_P114" (solid, pour order 114): 41.7,-6.2 42.2,-5.7 42.2,19.6 44.2,21.6 44.2,42.2 35.75,50.65 33.35,50.65 33,50.3 33,47.35 38.85,41.5 38.85,-5.4 39.65,-6.2
+VMAIN on POWER "+VMAIN_L03_P116" (solid, pour order 116): 28.65,18.75 22.75,24.65 22.75,32.15 21.4,33.5 17.9,33.5 17.9,36.7 17.95,36.65 22.15,40.85 22.15,46.15 16.3,52 16.3,69.3 18.95,71.95 18.95,74.1 14.8,74.1 11.05,70.35 11.05,51.2 16.3,45.95 16.3,43.7 12.2,39.6 12.2,17.9 14.7,15.4 25.8,15.4 26.3,14.9 26.3,12.3 26.75,11.85 28.7,11.85 30.35,13.5 30.35,17.05
+VBAT on POWER "+VBAT_L03_P111" (solid, pour order 111): 7.8,41.65 5.9,41.65 5.9,39.9 7.05,38.75 7.05,13.05 9.35,10.75 22.8,10.75 23.85,11.8 24.85,11.8 25.4,12.35 25.4,13.35 25.4,14.95 13.65,14.95 11.45,17.15 11.45,41.1 10.9,41.65
+VUSB on POWER "+VUSB_L03_P109" (solid, pour order 109): 33.5,39.7 35,39.7 35,0.7 35.25,0.45 37.65,0.45 37.65,41.5 36.85,42.3 33.5,42.3
NetC14_1 on POWER "NETC14_1_L03_P115" (solid, pour order 115): 19.7,81.2 16.65,81.2 16.65,80.05 18.2,78.5 21.2,78.5 22.4,79.7 22.4,88.15 11.35,88.15 8.1,84.9 1.4,78.2 1.4,43.8 5.6,43.8 5.6,72.95 11.384,78.734 11.4,82 13.2,83.8 13.3,83.7 19.7,83.7
CHG_MID on POWER "CHG_MID_L03_P113" (solid, pour order 113): 16.6,81.35 16.45,81.2 16.45,76.551 14.175,74.175 10.45,70.45 10.45,48.25 10.75,47.95 13.45,47.95 15.7,45.7 15.7,43.5 15.1,42.9 7,42.9 5.9,44 5.9,72.65 12,78.75 12,81.9 13.5,83.4 18.5,83.4 18.576,83.246 18.576,81.35
+VUSB_S on POWER "+VUSB_S_L03_P112" (solid, pour order 112): 26.8,46.3 26.8,43 27.05,42.75 29.8,42.75 29.95,42.9 29.95,49.45 26.4,53 26.4,58.1 32.3,64.1 32.3,68.3 41.05,77.05 41.05,79 42.65,79 42.65,82.75 42.8,82.9 42.8,82.8 46.3,82.8 46.35,82.85 46.6,82.6 46.6,79.5 46.85,79.25 47.15,79.25 47.15,78.25 47.3,78.1 48.4,78.1 48.4,84.4 38.7,84.4 37.65,83.35 37.68,76.18 23.7,62.2 23.7,58.4 21.9,56.6 21.9,51.2
GND on POWER "GND_L03_P108" (solid, pour order 108): 42.5,79.1 42.5,76.7 42.6,76.6 46.95,76.6 46.95,79 46.75,79 46.4,79.35 46.4,82.35 46.1,82.65 43.15,82.65 42.9,82.4 42.9,79.5
+VBUS on POWER "+VBUS_L03_P110" (solid, pour order 110): 21.8,37.4 19.7,37.4 19.7,37.35 18.85,36.5 18.85,34.95 19.2,34.6 24.6,34.6 26.2,36.2 26.2,45.6 20.9,50.9 20.9,63.6 28.2,70.9 31.95,70.9 33.8,72.75 33.8,74.2 25.4,74.2 17.8,66.6 17.8,51.1 22.8,46.1 22.8,38.2 22.6,38.2
GND on Top Layer "Top Layer-GND" (solid, remove dead copper, pour order 106): -0.05,-6.84 63.8,-6.84 63.8,88.36 -0.05,88.36
+VSOLAR on Top Layer "+VSOLAR_L01_P105" (solid, pour order 105): 27,34.5 29.3,32.2 33.95,32.2 34.525,32.775 34.5,34.85 34.5,37.2 34.35,37.35 21.95,37.35 21.7,37.1 21.7,34.5
+VBUS on Top Layer "+VBUS_L01_P099" (solid, pour order 99): 16.2,38.5 16.2,37.2 18.4,35 21.4,35 21.4,37.2 19.75,38.85 16.5,38.85 16.4,38.75
+VIO on Top Layer "+VIO_L01_P098" (solid, pour order 98): 35.2,49.7 35.2,48.6 35.1,48.5 31.1,48.5 31.1,49.7 34,49.7
+VUSB on Top Layer "+VUSB_L01_P104" (solid, pour order 104): 46.9,0.7 47.25,1.05 47.25,3.4 46.95,3.7 35.3,3.7 34.7,3.1 34.7,1.05 35.05,0.7
+VBAT on Top Layer "+VBAT_L01_P101" (solid, pour order 101): 4.9,40.9 4.9,37.75 5.2,37.45 11,37.45 11.65,38.1 11.65,40.9 11.2,41.35 5.35,41.35
+VMODEM on Top Layer "+VMODEM_L01_P100" (solid, pour order 100): 30.3,67.8 31.75,69.25 35.3,69.25 35.7,68.85 35.7,66.3 35.1,65.7 33.3,65.7 33.1,65.9 30.3,65.9
CHG_SW2 on Top Layer "CHG_SW2_L01_P103" (solid, pour order 103): 22.2,76.2 24.7,76.2 29.25,76.2 29.25,81.2 22.2,81.2
CHG_SW1 on Top Layer "CHG_SW1_L01_P102" (solid, pour order 102): 22.2,75.3 22.2,70.3 29.25,70.3 29.25,75.3
GND on GROUND "Bottom Layer-GND" (solid, remove dead copper, pour order 107): 0,-6.75 74.115,-6.75 74.115,88.45 0,88.45

## Keep-outs
Keep-Out Layer:
  circle w0.254: c70.305,84.64 r3.2
  circle w0.254: c3.81,84.64 r3.2
  circle w0.254: c70.305,-3.19 r3.2
  circle w0.254: c3.81,27.29 r3.2
  circle w0.254: c3.81,-3.19 r3.2
  rectangle: 49.35,-7.054 61.317,12.05
  lines w0.2: 0,-3.19 ccw(c3.81,-3.19) 3.81,-7 70.305,-7 ccw(c70.305,-3.19) 74.115,-3.19 74.115,84.64 ccw(c70.305,84.64) 70.305,88.45 3.81,88.45 ccw(c3.81,84.64) 0,84.64 0,2.75 0,-3.19

## Other copper
Top Layer:
  region net GND: 49.4,15.748 49.4,14.85 48.8,14.85 48.8,15.748
  region net GND: 49.4,8.352 49.4,9.25 48.8,9.25 48.8,8.352
  region net GND: 46.5,11.75 45.95,11.75 45.95,12.25 46.5,12.25
  region net +VMAIN: 19.15,19.9 19.7,19.9 19.8,20 19.8,21.05 19.65,21.2 19.15,21.2
  region net +VIO: 19.3,2.8 19.55,2.55 19.85,2.55 20,2.7 20,3.85 19.85,4 19.55,4 19.3,3.75
  region net +VUSB: 11.5,5.65 11.75,5.65 11.85,5.55 12,5.55 12,6.05 11.85,6.05 11.75,5.95 11.5,5.95
Bottom Layer:
  region net GND: 49.4,15.748 49.4,14.85 48.8,14.85 48.8,15.748
  region net GND: 46.5,11.75 45.95,11.75 45.95,12.25 46.5,12.25
  region net GND: 49.4,8.352 49.4,9.25 48.8,9.25 48.8,8.352
  region net GND: 10.4,23.6 10.4,24.2 13.55,24.2 13.55,23.6
  region net GND: 8.35,23.6 0.35,23.6 0.35,23.809 5.359,23.809 5.8,24.25 8.35,24.25
  region net GND: 0.9,12.2 0.35,12.2 0.35,23.8 0.85,23.8 0.85,23.4 0.8,23.4 0.8,12.6 0.9,12.6
  region net +VMAIN: 19.25,20.15 19.55,19.85 20.45,19.85 20.75,20.15 20.75,20.95 20.45,21.25 19.55,21.25 19.25,20.95
  region net +VMAIN: 25.1,7.6 25.1,7.9 25.4,8.2 25.8,8.2 25.8,8.8 24.9,8.8 24.5,8.4 24.5,7.6
  region net +VIO: 27.35,5.25 27.9,5.8 27.9,6.1 27.3,6.1 27.3,5.95 26.45,5.1 26.45,4.95 27.35,4.95
Multi-Layer:
  pour cut-out: 58.15,12.85 60.15,12.85 60.15,15.3 61.2,15.3 61.2,12.15 61.137,12.087 58.15,12.087 49.4,12.087 49.4,-9.787 74.115,-9.787 74.115,38.338 58.15,38.337

## Silkscreen, mask and mechanical layers (free items; w line width, h text height)
Top Overlay:
  drawing of 14 lines, arcs and shapes, not listed
  text "GND" at 28.15,86.35 h0.8
  text "VSOLAR" at 32.25,86.35 h0.8
  text "S_RST" at 56.5,84.45 h0.8 r270
  text "STARNOTE" at 35.1,69.3 h3 r270
  text "LIPO" at -0.3,41.75 h2.6
  text "SOLAR" at 20.4,41.7 h2.6
  text "-" at 28.15,39.95 h3 r90
  text "+" at 8.5,39.9 h3
  text "+" at 26.7,32.95 h3
  text "-" at 9.9,32.9 h3 r90
  text "GND" at 9.76,26.36 h0.8 r270
  text "SDA" at 12.295,26.365 h0.8 r270
  text "SCL" at 14.835,26.365 h0.8 r270
  text "RX" at 17.38,26.36 h0.8 r270
  text "TX" at 19.92,26.36 h0.8 r270
  text "RTX" at 22.46,26.36 h0.8 r270
  text "CTX" at 25,26.36 h0.8 r270
  text "ATTN" at 27.54,26.36 h0.8 r270
  text "AUX1" at 30.08,26.36 h0.8 r270
  text "AUX2" at 32.62,26.36 h0.8 r270
  text "AUX3" at 35.16,26.36 h0.8 r270
  text "AUX4" at 37.7,26.36 h0.8 r270
  text "AUX_EN" at 40.24,26.36 h0.8 r270
  text "AUX_RX" at 42.78,26.36 h0.8 r270
  text "GND" at 47.86,26.36 h0.8 r270
  text "AUX_TX" at 45.3,26.35 h0.8 r270
  text "NOTECARRIER-XI" at 36.665,22.862 h3 r270
  text "NOTECARD" at 20.415,22.812 h3 r270
  text "QWIIC" at 6.35,22.6 h2.6 r270
  text "V1.4" at 35.481,13.933 h3 r270
  text "VGPS_OUT" at 27.84,3.939 h0.8 r270
  text "VGPS_IN" at 24.75,3.006 h0.8 r270
  text "ALT" at 20.909,2.95 h0.8
  text "DFU" at 20.909,1.65 h0.8
  text "VMAIN" at 42.78,1.407 h0.8 r270
  text "BOOT" at 17.26,0.74 h0.8 r270
  text "NRST" at 19.8,0.74 h0.8 r270
  text "NCHG" at 32.62,0.74 h0.8 r270
  text "NRST" at 35.16,0.74 h0.8 r270
  text "BOOT" at 37.7,0.74 h0.8 r270
  text "VUSB" at 45.32,0.74 h0.8 r270
  text "VBAT" at 47.86,0.74 h0.8 r270
  text "IDLE" at 22.34,0.607 h0.8 r270
  text "GND" at 9.76,-0.059 h0.8 r270
  text "VIO" at 40.24,-0.193 h0.8 r270
  text "RX" at 11.98,-0.859 h0.8 r270
  text "TX" at 14.92,-0.859 h0.8 r270
  text "EN" at 30.08,-0.859 h0.8 r270
Bottom Overlay:
  circle w0.254: c64,31.7 r0.381
  circle w0.254: c64,33.2 r0.381
  circle w0.254: c62.15,31.7 r0.381
  circle w0.254: c62.15,33.2 r0.381
  circle w0.254: c60.35,31.7 r0.381
  circle w0.254: c60.35,33.2 r0.381
  circle w0.254: c58.5,31.7 r0.381
  circle w0.254: c58.5,33.2 r0.381
  circle w0.254: c56.75,31.7 r0.381
  circle w0.254: c56.75,33.2 r0.381
  region: 11.9,-0.3 11.9,-0.1 16.55,-0.1 16.55,1.3 16.75,1.3 16.75,-0.1 16.75,-0.3
  region: 16.55,1.1 16.55,1.3 23.25,1.3 23.25,1.1
  lines w0.2: 8.87,-3.17 8.87,-5.71 8.9,-5.74 49.51,-5.74 49.51,-3.17 ; 8.87,-3.17 49.51,-3.17 ; 8.87,-3.17 49.51,-3.17 ; 8.88,27.26 8.88,29.78 8.92,29.82 49.52,29.82 49.52,27.26 8.88,27.26 ; 56,30.95 56,33.95 64.85,33.95 64.85,30.95 56,30.95
  text "S_NRST" at 56.31,34.41 h0.8 r270
  text "S_BOOT" at 58.16,34.41 h0.8 r270
  text "S_AUX_EN" at 60.01,34.41 h0.8 r270
  text "S_AUX_TX" at 61.86,34.41 h0.8 r270
  text "S_AUX_RX" at 63.71,34.41 h0.8 r270
  text "AUX1" at 59.818,27.626 h0.8 r270
  text "AUX4" at 56.21,27.359 h0.8 r270
  text "AUX3" at 58.014,27.359 h0.8 r270
  text "STARNOTE ODFU" at 66.35,27.35 h0.8 r270
  text "AUX_RX" at 61.623,25.76 h0.8 r270
  text "AUX_TX" at 63.56,25.76 h0.8 r270
  text "RX" at 17.38,25.01 h0.8 r270
  text "TX" at 19.92,25.01 h0.8 r270
  text "GND" at 9.76,24.21 h0.8 r270
  text "SDA" at 12.295,24.21 h0.8 r270
  text "SCL" at 14.835,24.21 h0.8 r270
  text "RTX" at 22.46,24.21 h0.8 r270
  text "CTX" at 25,24.21 h0.8 r270
  text "GND" at 47.86,24.21 h0.8 r270
  text "AUX1" at 30.08,23.677 h0.8 r270
  text "ATTN" at 27.54,23.41 h0.8 r270
  text "AUX2" at 32.62,23.41 h0.8 r270
  text "AUX3" at 35.16,23.41 h0.8 r270
  text "AUX4" at 37.7,23.41 h0.8 r270
  text "AUX_EN" at 40.24,21.811 h0.8 r270
  text "AUX_RX" at 42.78,21.811 h0.8 r270
  text "AUX_TX" at 45.3,21.8 h0.8 r270
  text "NOTECARD / SIM" at 22,16 h0.8
  text "ALT DFU" at 23.059,1.7 h0.8
  text "GND" at 9.76,-2.209 h0.8 r270
  text "RX" at 11.98,-2.209 h0.8 r270
  text "TX" at 14.92,-2.209 h0.8 r270
  text "BOOT" at 17.26,-2.209 h0.8 r270
  text "NRST" at 19.8,-2.209 h0.8 r270
  text "IDLE" at 22.34,-2.209 h0.8 r270
  text "VGPS_IN" at 24.75,-2.209 h0.8 r270
  text "VGPS_OUT" at 27.84,-2.209 h0.8 r270
  text "EN" at 30.08,-2.209 h0.8 r270
  text "NCHG" at 32.62,-2.209 h0.8 r270
  text "NRST" at 35.16,-2.209 h0.8 r270
  text "BOOT" at 37.7,-2.209 h0.8 r270
  text "VIO" at 40.24,-2.209 h0.8 r270
  text "VMAIN" at 42.78,-2.209 h0.8 r270
  text "VUSB" at 45.32,-2.209 h0.8 r270
  text "VBAT" at 47.86,-2.209 h0.8 r270
M3 Dimensions:
  text "Dimensions in millimeters [mm]" at 10,97 h1.52
M13 Assy Top Comm:
  text "Mount pin headers on bottom!" at 10.3,-11.3 h1.52
M14 Assy Bot Comm:
  text "Mount pin headers on bottom!" at 50.4,-11.3 h1.52
M15 Board Outline:
  the board outline again, w0.2
M24 Assy Top Des:
  text "Mount pin headers on bottom!" at 10.3,-11.3 h1.52
M25 Assy Bot Des:
  text "Mount pin headers on bottom!" at 50.4,-11.3 h1.52

## Dimensions
3.81,27.29 to 3.81,84.64 on M3 Dimensions
0,27.29 to 74.115,84.64 on M3 Dimensions
3.81,84.64 to 70.305,84.64 on M3 Dimensions
4.164,-7 to 3.81,88.45 on M3 Dimensions
3.81,-3.19 to 3.81,27.29 on M3 Dimensions

## Text inside footprints (layer, text, board x,y; h text height)
C14: Top Overlay "+" at 1.704,44.577 h0.76
C21: Top Overlay "+" at 12.354,44.627 h0.76
D2: M14 Assy Bot Comm "RefDes2" at 32.677,74.835 h1.27 r180
J5: M2 Components Bot "EDGE" at 0.275,23.8 h1 r270; M2 Components Bot "EDGE" at 0.275,8.77 h1 r270; M2 Components Bot "Only GND Trace" at 10.807,21.657 h0.3
J8: M13 Assy Top Comm "RefDes2" at 26.036,33.84 h1.27 r90
J9: M14 Assy Bot Comm "2" at 53.43,31.19 h0.2 r180; M14 Assy Bot Comm "10" at 43.35,31.19 h0.2 r180; M14 Assy Bot Comm "8" at 45.79,31.19 h0.2 r180; M14 Assy Bot Comm "6" at 48.29,31.19 h0.2 r180; M14 Assy Bot Comm "4" at 50.89,31.19 h0.2 r180; M14 Assy Bot Comm "1" at 53.39,33.73 h0.2 r180; M14 Assy Bot Comm "9" at 43.19,33.73 h0.2 r180; M14 Assy Bot Comm "7" at 45.79,33.73 h0.2 r180; M14 Assy Bot Comm "5" at 48.29,33.73 h0.2 r180; M14 Assy Bot Comm "3" at 50.89,33.73 h0.2 r180; Top Overlay "1" at 55.47,34.03 h0.8 r180
L2: M13 Assy Top Comm "RefDes2" at 26.065,77.722 h1.27 r270
OBJ1: M19 Sheet Bot Panel "1" at 49.4,11.97 h0.2
OBJ2: M19 Sheet Bot Panel "1" at 69.65,57.97 h0.2
P4: M1 Components Top "PCB edge" at 0.323,7.85 h0.6 r270
P5: M2 Components Bot "PCB edge" at 42.2,88.077 h0.6 r180